# Altium PCB Booster_Main_Board.PcbDoc (part 8 of 11) (continued)
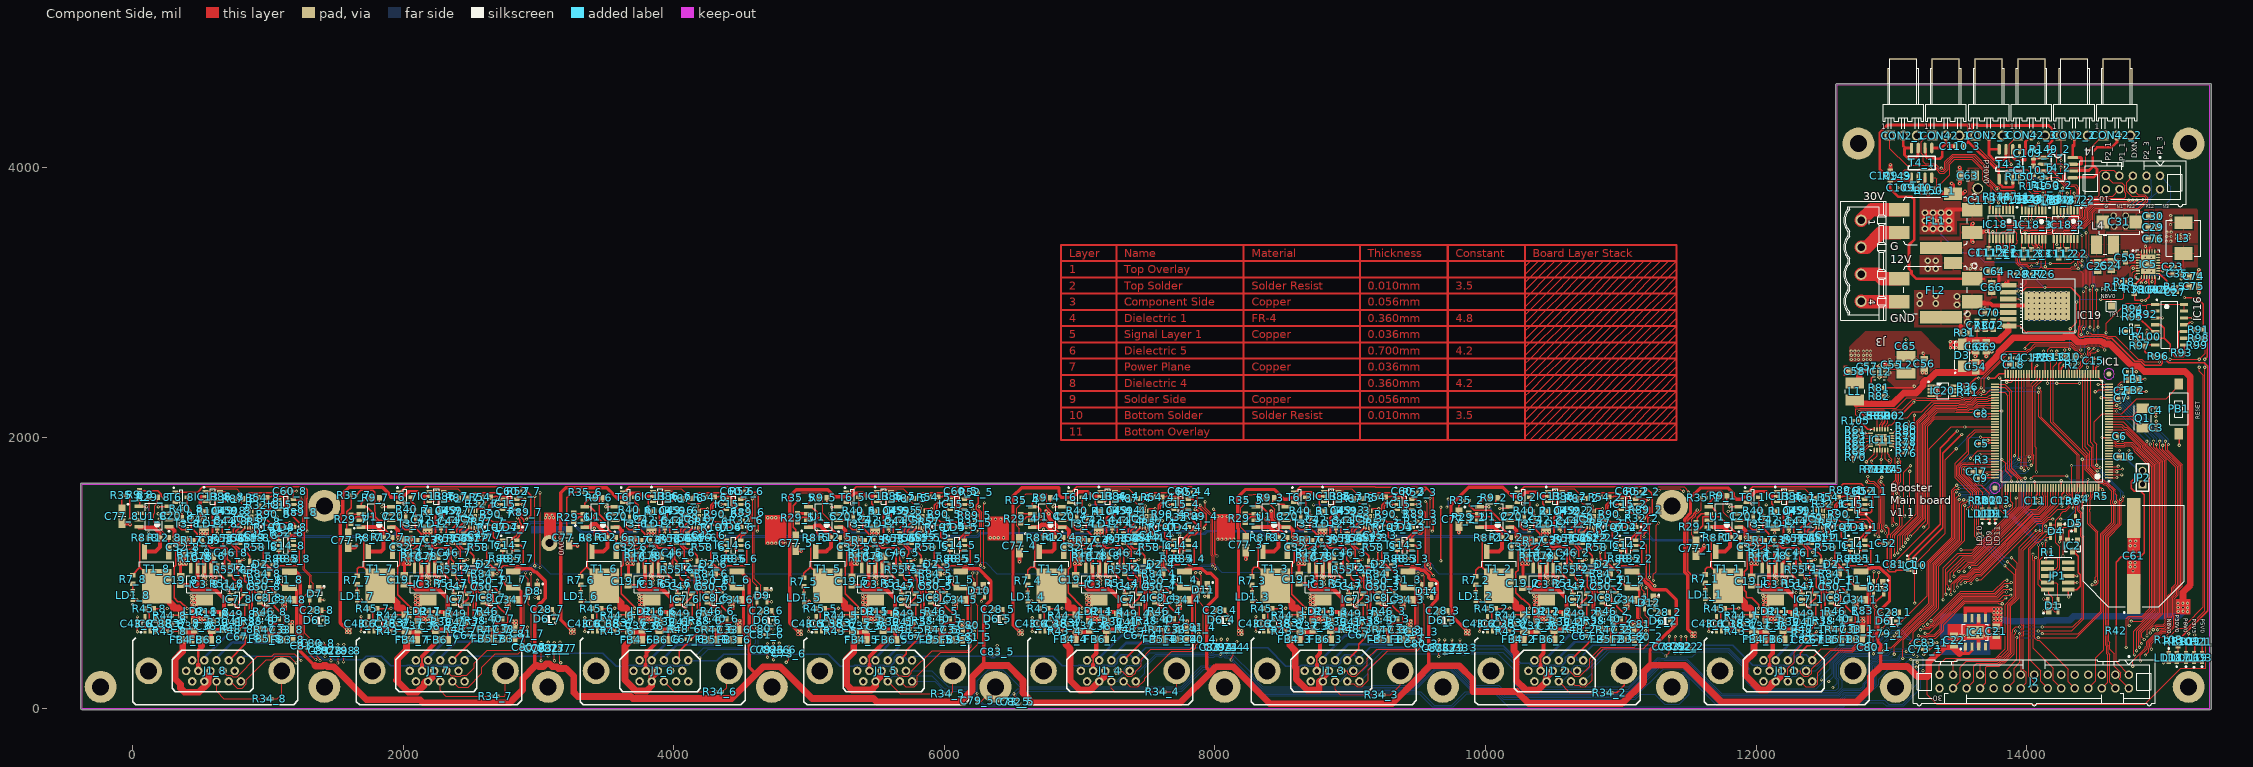
[diagram p0: Component Side view]
## Nets (pads, with @x,y where several pads share a name; then routed paths per layer and width w, separated by ;. In a path a pad name is that pad's centre, name@x,y a point inside that pad or via, vN(x,y) a via of type N, cw(c..) or ccw(c..) an arc to the next point about the centre after c; other vN are vias at no path point) (continued)
  Component Side w6: IC11.22@12913.03,2061.13 12913.03,2096.03 12932.72,2115.72 R69.2@12932.72,2143.02
NetIC11_23: IC11.23 R67.2 | length 81.9
  Component Side w6: IC11.23@12893.35,2061.13 R67.2@12893.35,2143.02
NetIC12_5: IC12.5 R81.1 R82.2 | length 162.3
  Component Side w12: IC12.5@12869.86,2449 12862,2449 12851,2438 12851,2402 R81.1@12875,2378 ; R82.2@12879.7,2301.36 R81.1@12879.7,2370.26
NetIC12_9: IC12.9 L2.1 | length 101.1
  Component Side w12: IC12.9@12952.54,2508.06 12970.06,2508.06 12974.11,2504 L2.1@13052,2504
NetIC13_1_3: IC13_1.3 R54_1.2 | length 555.9
  Component Side w6: IC13_1.3@12153.46,1527.91 12184.91,1527.91 12199,1542 12199,1579 12207.19,1587.19 12211.62,1587.19 12223.81,1599.38 12223.81,1611.97 12234.38,1622.54 12360.46,1622.54 12401,1582 12401,1524 12410,1515 12470,1515 12513.14,1558.14 R54_1.2@12544.68,1558.14
NetIC13_1_4: IC13_1.4 R86_1.1 R87_1.2 | length 120.1
  Component Side w10: IC13_1.4@12259.76,1527.91 12296.98,1527.91 R86_1.1@12315.38,1546.31 12366.85,1546.31 R87_1.2@12370.68,1550.14
NetIC13_2_3: IC13_2.3 R54_2.2 | length 556.8
  Component Side w6: IC13_2.3@10460.55,1527.91 10500.91,1527.91 10508,1535 10508,1577 10536.2,1605.2 10536.2,1617.27 10541.47,1622.54 10655.49,1622.54 10704.48,1573.55 10704.48,1525.52 10720,1510 10772,1510 10820.14,1558.14 R54_2.2@10851.76,1558.14
NetIC13_2_4: IC13_2.4 R86_2.1 R87_2.2 | length 120.1
  Component Side w10: IC13_2.4@10566.85,1527.91 10604.07,1527.91 R86_2.1@10622.47,1546.31 10673.93,1546.31 R87_2.2@10677.76,1550.14
NetIC13_3_3: IC13_3.3 R54_3.2 | length 545.7
  Component Side w6: IC13_3.3@8807.01,1527.91 8834.91,1527.91 8857,1550 8857,1581.57 8874.81,1599.38 8874.81,1609.43 8887.93,1622.54 9011.46,1622.54 9057,1577 9057,1527 9068,1516 9121,1516 9163.14,1558.14 R54_3.2@9198.22,1558.14
NetIC13_3_4: IC13_3.4 R86_3.1 R87_3.2 | length 120.1
  Component Side w10: IC13_3.4@8913.31,1527.91 8950.53,1527.91 R86_3.1@8968.93,1546.31 9020.39,1546.31 R87_3.2@9024.22,1550.14
NetIC13_4_3: IC13_4.3 R54_4.2 | length 560.7
  Component Side w6: IC13_4.3@7153.46,1527.91 7196.91,1527.91 7205,1536 7205,1582.57 7229.11,1606.68 7229.11,1617.27 7234.38,1622.54 7362.46,1622.54 7402,1583 7402,1530 7421,1511 7452,1511 7499.14,1558.14 R54_4.2@7544.68,1558.14
NetIC13_4_4: IC13_4.4 R86_4.1 R87_4.2 | length 120.1
  Component Side w10: IC13_4.4@7259.76,1527.91 7296.98,1527.91 R86_4.1@7315.38,1546.31 7366.85,1546.31 R87_4.2@7370.68,1550.14
NetIC13_5_3: IC13_5.3 R54_5.2 | length 546.7
  Component Side w6: IC13_5.3@5499.92,1527.91 5532.91,1527.91 5547,1542 5547,1578.57 5567.81,1599.38 5567.81,1609.52 5580.84,1622.54 5697.46,1622.54 5749,1571 5749,1532 5753.41,1527.59 5753.41,1526.73 5766.14,1514 5812,1514 5822,1524 5861,1524 5891.13,1554.13 R54_5.2@5891.13,1558.14
NetIC13_5_4: IC13_5.4 R86_5.1 R87_5.2 | length 120.1
  Component Side w10: IC13_5.4@5606.22,1527.91 5643.44,1527.91 R86_5.1@5661.84,1546.31 5713.3,1546.31 R87_5.2@5717.13,1550.14
NetIC13_6_3: IC13_6.3 R54_6.2 | length 552.1
  Component Side w6: IC13_6.3@3846.38,1527.91 3875.91,1527.91 3898.5,1550.5 3898.5,1584.07 3902.81,1588.38 3902.81,1598.06 3927.3,1622.54 4056.46,1622.54 4095,1584 4095,1526 4106,1515 4168.2,1515 4168.31,1515.11 4194.56,1515.11 R54_6.2@4237.59,1558.14
NetIC13_6_4: IC13_6.4 R86_6.1 R87_6.2 | length 120.1
  Component Side w10: IC13_6.4@3952.68,1527.91 3989.9,1527.91 R86_6.1@4008.3,1546.31 4059.76,1546.31 R87_6.2@4063.59,1550.14
NetIC13_7_3: IC13_7.3 R54_7.2 | length 557.2
  Component Side w6: IC13_7.3@2192.83,1527.91 2228.91,1527.91 2240,1539 2240,1573.17 2268.48,1601.65 2268.48,1617.27 2273.75,1622.54 2401.46,1622.54 2440,1584 2440,1530 2453,1517 2541.08,1517 2541.08,1525.93 2546.35,1531.2 2557.11,1531.2 R54_7.2@2584.05,1558.14
NetIC13_7_4: IC13_7.4 R86_7.1 R87_7.2 | length 120.1
  Component Side w10: IC13_7.4@2299.13,1527.91 2336.35,1527.91 R86_7.1@2354.75,1546.31 2406.22,1546.31 R87_7.2@2410.05,1550.14
NetIC13_8_3: IC13_8.3 R54_8.2 | length 568.6
  Component Side w6: IC13_8.3@539.29,1526.77 574.77,1526.77 585,1537 585,1570.57 607.39,1592.95 607.39,1608.58 620.21,1621.4 768.6,1621.4 789,1601 789,1529.37 798.05,1520.31 799.69,1520.31 808,1512 845,1512 890,1557 R54_8.2@930.5,1557
  Component Side w10: R54_8.2@930.5,1562 R54_8.2@934,1562
NetIC13_8_4: IC13_8.4 R86_8.1 R87_8.2 | length 120.1
  Component Side w10: IC13_8.4@645.59,1526.77 682.81,1526.77 R86_8.1@701.21,1545.17 752.67,1545.17 R87_8.2@756.5,1549
NetIC14_1_4: IC14_1.4 R52_1.2 T6_1.1 | length 1698.6
  Component Side w10: T6_1.1@11921.46,1589.61 T6_1.1@11928.54,1596.69 11936.69,1596.69 11976.54,1636.54 12620.8,1636.54 12642.06,1657.81 12775.49,1657.81 12798.88,1634.42 12840.58,1634.42 12863.1,1611.9 12863.1,1496.81 12854.33,1488.04 12854.33,1456.69 12843.69,1446.05 12772.23,1446.05 12762.14,1456.13 ; v1(12746.06,1417.32) 12767.32,1396.07 12816.53,1396.07 12844.49,1368.11 12844.49,1328.74 12834.82,1319.07 12834.82,1318.28 12828.38,1311.83 12822.82,1311.83 12760.17,1249.19 12760.17,1241.31 12759.17,1240.31 12759.17,1179.33 12776.17,1162.33 12797.91,1162.33 IC14_1.4@12801.32,1165.74
  Signal Layer 1 w10: v1(12746.06,1417.32) 12755.88,1427.14 v1(12755.88,1466.53)
NetIC14_1_6: IC14_1.6 R32_1.2 R54_1.1 | length 632.3
  Component Side w6: R32_1.2@12553.5,1510 12555,1510 12579.07,1534.07
  Component Side w10: 12579.07,1534.07 12583.6,1534.07 R54_1.1@12607.67,1558.14 12613.67,1564.14 12638.17,1564.14 12640.5,1566.47 12720.03,1566.47 12740.17,1546.33 12740.17,1489.35 12733.07,1482.24 12733.07,1456.9 12749.84,1440.13 12755.51,1440.13 12765.6,1430.05 12805.18,1430.05 12860.49,1374.74 12860.49,1322.11 12850.82,1312.44 12850.82,1311.65 12835,1295.83 12832.6,1295.83 12801.32,1264.56 IC14_1.6@12801.32,1240.54
NetIC14_2_4: IC14_2.4 R52_2.2 T6_2.1 | length 1673.6
  Component Side w10: T6_2.1@10228.54,1589.61 T6_2.1@10235.63,1596.69 10244.69,1596.69 10284.54,1636.54 11178.42,1636.54 11199.96,1615 ; IC14_2.4@11108.41,1165.74 11105,1162.33 11083.26,1162.33 11076.74,1168.85 11076.74,1256.91 v1@11115.62,1295.79 ; v1(11171.24,1269.68) 11171.24,1289.35 11198,1316.11 11198,1403.12 11208.88,1414 11211.63,1414 11231,1433.37 11231,1577.74 11227.19,1581.55 11227.19,1587.77 11199.96,1615 ; R52_2.2@11178.5,1600 11193.5,1615 11199.96,1615
  Signal Layer 1 w10: v1(11112.2,1299.21) 11161.39,1299.21 11171.24,1289.37 v1(11171.24,1269.68)
NetIC14_2_6: IC14_2.6 R32_2.2 R54_2.1 | length 527.4
  Component Side w10: R54_2.1@10914.76,1558.14 10920.76,1564.14 10945.26,1564.14 10947.59,1566.47 11027.12,1566.47 11047.26,1546.33 11047.26,1468.14 11076.26,1439.14 11103.17,1439.14 11151.09,1391.23 11151.09,1324.12 11135.02,1308.05 11135.02,1289.76 11121.65,1276.4 11120.25,1276.4 11108.41,1264.56 IC14_2.6@11108.41,1240.54
NetIC14_3_4: IC14_3.4 R52_3.2 T6_3.1 | length 1739.8
  Component Side w10: T6_3.1@8575,1589.61 T6_3.1@8582.09,1596.69 8591.69,1596.69 8631.54,1636.54 9183.31,1636.54 9186,1633.86 9557.09,1633.86 9567.97,1622.97 ; IC14_3.4@9454.87,1165.74 9451.46,1162.33 9429.72,1162.33 9412.72,1179.33 9412.72,1240.31 9413.72,1241.31 9413.72,1249.19 9476.36,1311.83 9511.25,1311.83 v1(9514.03,1309.06) ; R52_3.2@9533.5,1595 9535,1595 9562.97,1622.97 9567.97,1622.97 ; v1(9606.3,1309.06) 9612.81,1315.57 9612.81,1578.13 9567.97,1622.97
  Signal Layer 1 w10: v1(9514.03,1309.06) v1(9606.3,1309.06)
NetIC14_3_6: IC14_3.6 R32_3.2 R54_3.1 | length 590.5
  Component Side w10: R54_3.1@9261.21,1558.14 9267.21,1564.14 9291.72,1564.14 9294.05,1566.47 9373.57,1566.47 9393.72,1546.33 9393.72,1468.14 9431.01,1430.85 9451.02,1430.85 9516.09,1365.78 9516.09,1339.26 9536.84,1318.5 9536.84,1299.61 9523.48,1286.24 9504.58,1286.24 9494.99,1295.83 9486.14,1295.83 9454.87,1264.56 IC14_3.6@9454.87,1240.54
NetIC14_4_4: IC14_4.4 R52_4.2 T6_4.1 | length 1615.5
  Component Side w10: T6_4.1@6921.46,1589.61 T6_4.1@6928.54,1596.69 6937.69,1596.69 6977.54,1636.54 7824.8,1636.54 7867.19,1594.16 7867.19,1490.55 7880.55,1477.19 7893.01,1477.19 7893.01,1470.74 7923.23,1440.53 7928.18,1440.53 7934.62,1434.08 7934.62,1359.82 7920,1345.2 v1(7920,1330) ; IC14_4.4@7801.32,1165.74 7797.91,1162.33 7776.17,1162.33 7759.17,1179.33 7759.17,1240.31 7760.17,1241.31 7760.17,1249.19 7822.82,1311.83 7828.38,1311.83 7834.82,1318.28 7834.82,1328.74 7842.66,1328.74 7852.51,1318.89 v1(7854.31,1318.89)
  Signal Layer 1 w10: v1@7854.31,1328.74 7855.57,1330 v1(7920,1330)
NetIC14_4_6: IC14_4.6 R32_4.2 R54_4.1 | length 591
  Component Side w10: R54_4.1@7607.67,1558.14 7613.67,1564.14 7638.17,1564.14 7640.5,1566.47 7720.03,1566.47 7740.17,1546.33 7740.17,1485 7759.03,1466.14 7759.03,1449.28 7769.17,1439.14 7784.06,1439.14 7798.2,1425 ; R32_4.2@7778.5,1410 7793.5,1425 7798.2,1425 ; IC14_4.6@7801.32,1240.54 7801.32,1264.56 7819.98,1283.21 7850.89,1283.21 7877.13,1309.45 7877.13,1346.08 7798.2,1425
NetIC14_5_4: IC14_5.4 R52_5.2 T6_5.1 | length 1619.9
  Component Side w10: T6_5.1@5267.91,1589.61 T6_5.1@5275,1596.69 5310.09,1596.69 5349.94,1636.54 6227.63,1636.54 6250,1614.17 6250,1516.26 6234.69,1500.95 6234.69,1470.63 6261.39,1443.93 6261.39,1330.29 v1(6240.16,1309.06) ; IC14_5.4@6147.78,1165.74 6144.37,1162.33 6122.63,1162.33 6105.63,1179.33 6105.63,1240.31 6106.63,1241.31 6106.63,1249.19 v1@6159.04,1301.59
  Signal Layer 1 w10: v1(6161.42,1299.21) 6171.26,1309.06 v1(6240.16,1309.06)
NetIC14_5_6: IC14_5.6 R32_5.2 R54_5.1 | length 560.1
  Component Side w6: 6197.28,1350 6198.77,1351.5 R32_5.2@6225,1351.5
  Component Side w10: R54_5.1@5954.13,1558.14 5960.13,1564.14 5984.63,1564.14 5986.96,1566.47 6066.49,1566.47 6086.63,1546.33 6086.63,1468.14 6115.63,1439.14 6130.52,1439.14 6197.28,1372.38 6197.28,1350 6197.28,1302.81 6170.87,1276.4 6159.62,1276.4 6147.78,1264.56 IC14_5.6@6147.78,1240.54
NetIC14_6_4: IC14_6.4 R52_6.2 T6_6.1 | length 1637.6
  Component Side w10: T6_6.1@3614.37,1589.61 T6_6.1@3621.46,1596.69 3630.69,1596.69 3670.54,1636.54 4529.13,1636.54 4543.91,1621.76 4543.91,1620.77 4568.87,1595.81 4610.45,1595.81 4625.98,1580.28 4625.98,1318.9 v1(4616.14,1309.06) ; IC14_6.4@4494.24,1165.74 4490.83,1162.33 4469.09,1162.33 4452.09,1179.33 4452.09,1240.31 4453.09,1241.31 4453.09,1249.19 v1@4505.49,1301.59
  Signal Layer 1 w10: v1(4507.87,1299.21) 4606.3,1299.21 v1(4616.14,1309.06)
NetIC14_6_6: IC14_6.6 R32_6.2 R54_6.1 | length 529.8
  Component Side w10: R54_6.1@4300.58,1558.14 4306.58,1564.14 4331.09,1564.14 4333.42,1566.47 4412.94,1566.47 4433.09,1546.33 4433.09,1468.14 4462.09,1439.14 4473.71,1439.14 4478.02,1434.84 4478.02,1434.4 4491.4,1421.01 4491.4,1408.6 4543.73,1356.27 4543.73,1302.82 4517.31,1276.4 4506.08,1276.4 4494.24,1264.56 IC14_6.6@4494.24,1240.54
NetIC14_7_4: IC14_7.4 R52_7.2 T6_7.1 | length 1622.1
  Component Side w10: T6_7.1@1960.83,1589.61 T6_7.1@1967.91,1596.69 1977.69,1596.69 2017.54,1636.54 2879.13,1636.54 2942.91,1572.76 2942.91,1427.17 v1(2913.39,1397.64) ; IC14_7.4@2840.69,1165.74 2837.28,1162.33 2815.54,1162.33 2798.54,1179.33 2798.54,1240.31 2799.54,1241.31 2799.54,1243.63 2809.02,1253.11 2809.02,1256.91 2815.47,1263.35 2819.27,1263.35 2827.71,1271.8 2834.48,1271.8 2840.92,1278.24 2840.92,1285.01 2874.19,1318.28 2874.19,1358.89 2860.57,1372.51 2860.57,1391.39 v1(2844.48,1407.48)
  Signal Layer 1 w10: v1(2844.48,1407.48) 2844.48,1398.59 2845.43,1397.64 v1(2913.39,1397.64)
NetIC14_7_6: IC14_7.6 R32_7.2 R54_7.1 | length 606.5
  Component Side w10: R32_7.2@2598.5,1510 2598.9,1510 R54_7.1@2647.04,1558.14 2653.04,1564.14 2677.54,1564.14 2679.87,1566.47 2759.4,1566.47 2779.54,1546.33 2779.54,1468.14 2808.54,1439.14 2845.08,1439.14 2890.19,1394.03 2890.19,1311.65 2856.92,1278.38 2856.92,1271.61 2841.1,1255.8 2840.69,1255.8 IC14_7.6@2840.69,1240.54
NetIC14_8_4: IC14_8.4 R52_8.2 T6_8.1 | length 1633.1
  Component Side w10: T6_8.1@307.28,1588.46 T6_8.1@314.37,1595.55 479.57,1595.55 519.42,1635.4 905.51,1635.4 906.92,1636.81 1266.73,1636.81 1289.37,1614.17 1289.37,1550.7 1288.21,1549.54 1288.21,1310.21 v1(1289.37,1309.06) ; R52_8.2@1158.5,1295 1172.95,1280.55 1172.95,1275 ; IC14_8.4@1187.15,1164.6 1183.74,1161.19 1162,1161.19 1145,1178.19 1145,1239.17 1146,1240.17 1146,1248.05 1172.95,1275 ; v1(1210.63,1299.21) 1194.57,1283.15 1181.1,1283.15 1172.95,1275
  Signal Layer 1 w10: v1(1210.63,1299.21) 1279.53,1299.21 v1(1289.37,1309.06)
NetIC14_8_6: IC14_8.6 R32_8.2 R54_8.1 | length 598.1
  Component Side w10: R32_8.2@978.5,1500 978.5,1503.5 993.5,1518.5 R54_8.1@993.5,1557 999.5,1563 1024,1563 1026.33,1565.33 1105.86,1565.33 1126,1545.19 1126,1467 1155,1438 1166.63,1438 1236.65,1367.98 1236.65,1292.97 1210.83,1267.15 1190.88,1267.15 1187.15,1263.42 IC14_8.6@1187.15,1239.4
NetIC15_1_1: IC15_1.1 R87_1.1 R89_1.1 | length 484
  Component Side w10: R87_1.1@12433.67,1550.14 12476.67,1593.14 12663.68,1593.14 R89_1.1@12664.17,1593.64 12688.42,1593.64 12693.72,1588.33 12714.72,1588.33 12718.72,1584.33 12737.62,1584.33 12737.9,1584.61 12741.03,1581.48 12751.83,1581.48 12757.17,1576.14 12757.17,1496.5 12764.33,1489.34 12765.33,1489.34 12775.22,1479.45 12790.51,1479.45 IC15_1.1@12801.1,1468.86
NetIC15_1_6: IC15_1.6 R90_1.2 | length 48.8
  Component Side w10: R90_1.2@12653.17,1451.65 12670.39,1468.86 IC15_1.6@12694.8,1468.86
NetIC15_2_1: IC15_2.1 R87_2.1 R89_2.1 | length 569.2
  Component Side w10: R87_2.1@10740.76,1550.14 10783.76,1593.14 10970.76,1593.14 10971.26,1593.64 10995.5,1593.64 11000.81,1588.33 11021.81,1588.33 11025.81,1584.33 11044.71,1584.33 11044.99,1584.61 11048.12,1581.48 11058.92,1581.48 11064.26,1576.14 11064.26,1496.5 11081.31,1479.45 11097.6,1479.45 IC15_2.1@11108.19,1468.86 11108.19,1462.62 11166.51,1462.62 R89_2.1@11181.1,1448.03
NetIC15_2_6: IC15_2.6 R90_2.2 | length 48.8
  Component Side w10: R90_2.2@10960.26,1451.65 10977.47,1468.86 IC15_2.6@11001.89,1468.86
NetIC15_3_1: IC15_3.1 R87_3.1 R89_3.1 | length 589.1
  Component Side w10: R87_3.1@9087.21,1550.14 9130.21,1593.14 9317.22,1593.14 9317.72,1593.64 9341.96,1593.64 9347.27,1588.33 9368.27,1588.33 9372.27,1584.33 9391.17,1584.33 9391.45,1584.61 9394.58,1581.48 9405.38,1581.48 9410.72,1576.14 9410.72,1496.5 9427.76,1479.45 9444.06,1479.45 IC15_3.1@9454.65,1468.86 9448.82,1463.03 9448.82,1446.85 9468.5,1446.85 9496.85,1418.5 R89_3.1@9517.72,1418.5
NetIC15_3_6: IC15_3.6 R90_3.2 | length 48.8
  Component Side w10: R90_3.2@9306.72,1451.65 9323.93,1468.86 IC15_3.6@9348.35,1468.86
NetIC15_4_1: IC15_4.1 R87_4.1 R89_4.1 | length 579.5
  Component Side w10: R87_4.1@7433.67,1550.14 7476.67,1593.14 7663.68,1593.14 7664.17,1593.64 7688.42,1593.64 7693.72,1588.33 7714.72,1588.33 7718.72,1584.33 7737.62,1584.33 7737.9,1584.61 7741.03,1581.48 7751.83,1581.48 7757.17,1576.14 7757.17,1496.5 7774.22,1479.45 7790.51,1479.45 IC15_4.1@7801.1,1468.86 7852.64,1417.32 R89_4.1@7875.2,1417.32
NetIC15_4_6: IC15_4.6 R90_4.2 | length 48.8
  Component Side w10: R90_4.2@7653.17,1451.65 7670.39,1468.86 IC15_4.6@7694.8,1468.86
NetIC15_5_1: IC15_5.1 R87_5.1 R89_5.1 | length 555.7
  Component Side w10: R87_5.1@5780.13,1550.14 5823.13,1593.14 6010.13,1593.14 6010.63,1593.64 6034.87,1593.64 6040.18,1588.33 6061.18,1588.33 6065.18,1584.33 6084.08,1584.33 6084.36,1584.61 6087.49,1581.48 6098.29,1581.48 6103.63,1576.14 6103.63,1496.5 6120.68,1479.45 6136.97,1479.45 IC15_5.1@6147.56,1468.86 6159.09,1468.86 6200.79,1427.17 R89_5.1@6201.97,1427.17
NetIC15_5_6: IC15_5.6 R90_5.2 | length 48.8
  Component Side w10: R90_5.2@5999.63,1451.65 6016.84,1468.86 IC15_5.6@6041.26,1468.86
NetIC15_6_1: IC15_6.1 R87_6.1 R89_6.1 | length 570.1
  Component Side w10: R87_6.1@4126.58,1550.14 4169.58,1593.14 4356.59,1593.14 4357.09,1593.64 4381.33,1593.64 4391.78,1583.19 4432.24,1583.19 4433.95,1581.48 4444.75,1581.48 4450.09,1576.14 4450.09,1496.5 4467.13,1479.45 4483.43,1479.45 IC15_6.1@4494.02,1468.86 4494.02,1441.02 4498.03,1437.01 4538.58,1437.01 R89_6.1@4547.24,1428.35
NetIC15_6_6: IC15_6.6 R90_6.2 | length 48.8
  Component Side w10: R90_6.2@4346.09,1451.65 4363.3,1468.86 IC15_6.6@4387.72,1468.86
NetIC15_7_1: IC15_7.1 R87_7.1 R89_7.1 | length 564.9
  Component Side w10: R87_7.1@2473.04,1550.14 2516.04,1593.14 2703.05,1593.14 2703.54,1593.64 2727.79,1593.64 2733.09,1588.33 2754.09,1588.33 2758.09,1584.33 2776.99,1584.33 2777.27,1584.61 2780.4,1581.48 2791.2,1581.48 2796.54,1576.14 2796.54,1496.5 2813.59,1479.45 2829.88,1479.45 IC15_7.1@2840.47,1468.86 2842.17,1468.86 2883.86,1427.17 2902.36,1427.17 R89_7.1@2903.54,1428.35
NetIC15_7_6: IC15_7.6 R90_7.2 | length 48.8
  Component Side w10: R90_7.2@2692.54,1451.65 2709.76,1468.86 IC15_7.6@2734.17,1468.86
NetIC15_8_1: IC15_8.1 R87_8.1 R89_8.1 | length 563.4
  Component Side w10: R87_8.1@819.5,1549 862.5,1592 1049.5,1592 1050,1592.5 1074.24,1592.5 1079.55,1587.19 1100.55,1587.19 1104.55,1583.19 1123.45,1583.19 1123.73,1583.47 1126.86,1580.34 1137.66,1580.34 1143,1575 1143,1495.35 1160.05,1478.31 1176.34,1478.31 IC15_8.1@1186.93,1467.72 1190.94,1463.7 1190.94,1446.85 1200.79,1437.01 1231.5,1437.01 R89_8.1@1240.16,1428.35
NetIC15_8_6: IC15_8.6 R90_8.2 | length 48.8
  Component Side w10: R90_8.2@1039,1450.5 1056.21,1467.72 IC15_8.6@1080.63,1467.72
NetIC16_5: IC16.5 R94.2 R95.1 | length 260.7
  Component Side w10: R94.2@14751.97,2952.76 14811.02,2893.7 R95.1@14814.96,2893.7 ; R95.1@14821.85,2893.63 14911.59,2803.89 14911.59,2803.63 14930.59,2784.63 IC16.5@14949.77,2784.63
NetIC16_7: IC16.7 R96.1 R97.2 | length 206.9
  Component Side w10: R96.1@14939.96,2601.38 14939.96,2603.35 14914.37,2628.94 14878.94,2628.94 14871.06,2636.81 R97.2@14871.06,2677.17 14878.53,2684.63 IC16.7@14949.77,2684.63
NetIC16_9: IC16.9 R98.1 R99.2 | length 128.7
  Component Side w10: IC16.9@15162.37,2734.63 15237.09,2734.63 R98.1@15238.92,2732.8 15239.91,2731.81 R99.2@15239.91,2681.8
NetIC16_10: IC16.10 R91.1 R93.1 | length 251.7
  Component Side w10: R93.1@15118.42,2628.8 15118.42,2776.8 15126.24,2784.63 IC16.10@15162.37,2784.63 ; IC16.10@15188.42,2786.8 15200.42,2798.8 R91.1@15239.92,2798.8
NetIC18_2_13: IC18_2.13
NetIC19_2: IC19.2 R27.1 | length 288.6
  Component Side w6: IC19.2@13848.23,3060.24 IC19.2@13863.19,3075.2 13882.28,3075.2 13890.61,3083.52 v1(13937.01,3083.52) ; v1(13996.06,3208.66) R27.1@14036.61,3208.66
  Solder Side w6: v1(13937.01,3083.52) 13996.06,3142.57 v1(13996.06,3208.66)
NetIC19_3: IC19.3 R28.1 | length 405.4
  Component Side w6: IC19.3@13863.19,3025.2 v1(13950.39,3025.2) ; R28.1@13955.51,3208.66 13955.51,3246.87 v1(13956.67,3248.03)
  Solder Side w6: v1(13950.39,3025.2) 13944.06,3031.54 13944.06,3047.04 13916.2,3074.9 13916.2,3092.14 13928.39,3104.33 13940.85,3104.33 13977.5,3140.99 13977.5,3197.79 13975.25,3200.04 13975.25,3229.44 v1(13956.67,3248.03)
NetJ2_26: J2.26 R3.2 | length 2346.6
  Component Side w6: J2.26@13555.12,146.85 13608,199.73 13608,310 13631.54,333.54 13786.45,333.54 13811.91,359 13826.97,359 13882.27,414.3 13882.27,755.7 13905.76,779.19 13906.53,779.19 13944.81,817.47 13944.81,1189.81 v1(14069,1314) ; v1(13616,1834) 13619,1837 R3.2@13651.5,1837 ; v1(13815,1838) 13844,1809 13844,1754 13887,1711 v1(13887,1678)
  Signal Layer 1 w6: v1(13887,1678) 13895.81,1669.19 13895.81,1487.19 v1(14069,1314)
  Solder Side w6: v1(13616,1834) 13811,1834 v1(13815,1838)
NetLD1_1_2: LD1_1.2 R7_1.1 | length 55.1
  Component Side w10: LD1_1.2@11623.25,870.27 LD1_1.2@11623.25,871.25 R7_1.1@11623.25,925.39
NetLD1_2_2: LD1_2.2 R7_2.1 | length 55.1
  Component Side w10: LD1_2.2@9927.02,857.57 LD1_2.2@9927.02,858.55 R7_2.1@9927.02,912.69
NetLD1_3_2: LD1_3.2 R7_3.1 | length 55.1
  Component Side w10: LD1_3.2@8274,856.2 LD1_3.2@8274,857.18 R7_3.1@8274,911.31
NetLD1_4_2: LD1_4.2 R7_4.1 | length 55.1
  Component Side w10: LD1_4.2@6615.93,854.57 LD1_4.2@6615.93,855.55 R7_4.1@6615.93,909.69
NetLD1_5_2: LD1_5.2 R7_5.1 | length 55.1
  Component Side w10: LD1_5.2@4961.81,846.39 LD1_5.2@4961.81,847.37 R7_5.1@4961.81,901.5
NetLD1_6_2: LD1_6.2 R7_6.1 | length 55.1
  Component Side w10: LD1_6.2@3312.84,857.57 LD1_6.2@3312.84,858.55 R7_6.1@3312.84,912.69
NetLD1_7_2: LD1_7.2 R7_7.1 | length 55.1
  Component Side w10: LD1_7.2@1660.3,860.57 LD1_7.2@1660.3,861.55 R7_7.1@1660.3,915.69
NetLD1_8_2: LD1_8.2 R7_8.1 | length 54.1
  Component Side w10: LD1_8.2@0,866.14 R7_8.1@0,920.28
NetLD2_1_2: LD2_1.2 R11_1.2 | length 35.6
  Component Side w20: LD2_1.2@12152.95,711.85 R11_1.2@12188.58,711.85
NetLD2_2_2: LD2_2.2 R11_2.2 | length 35.6
  Component Side w20: LD2_2.2@10460.04,711.85 R11_2.2@10495.67,711.85
NetLD2_3_2: LD2_3.2 R11_3.2 | length 35.6
  Component Side w20: LD2_3.2@8806.5,711.85 R11_3.2@8842.13,711.85
NetLD2_4_2: LD2_4.2 R11_4.2 | length 35.6
  Component Side w20: LD2_4.2@7152.95,711.85 R11_4.2@7188.58,711.85
NetLD2_5_2: LD2_5.2 R11_5.2 | length 35.6
  Component Side w20: LD2_5.2@5499.41,711.85 R11_5.2@5535.04,711.85
NetLD2_6_2: LD2_6.2 R11_6.2 | length 35.6
  Component Side w20: LD2_6.2@3845.87,711.85 R11_6.2@3881.5,711.85
NetLD2_7_2: LD2_7.2 R11_7.2 | length 35.6
  Component Side w20: LD2_7.2@2192.32,711.85 R11_7.2@2227.95,711.85
NetLD2_8_2: LD2_8.2 R11_8.2 | length 35.6
  Component Side w20: LD2_8.2@538.78,710.71 R11_8.2@574.41,710.71
NetLD3_2: LD3.2 R21.2 | length 61
  Component Side w10: LD3.2@15297.2,408.71 R21.2@15297.2,469.71
NetLD4_1_2: LD4_1.2 R107_1.1 | length 52.2
  Component Side w10: R107_1.1@12690.87,1338.94 LD4_1.2@12743.03,1338.94
NetLD4_2_2: LD4_2.2 R107_2.1 | length 52.2
  Component Side w10: R107_2.1@10997.95,1338.94 LD4_2.2@11050.12,1338.94
NetLD4_3_2: LD4_3.2 R107_3.1 | length 52.2
  Component Side w10: R107_3.1@9344.41,1338.94 LD4_3.2@9396.57,1338.94
NetLD4_4_2: LD4_4.2 R107_4.1 | length 52.2
  Component Side w10: R107_4.1@7690.87,1338.94 LD4_4.2@7743.03,1338.94
NetLD4_5_2: LD4_5.2 R107_5.1 | length 52.2
  Component Side w10: R107_5.1@6037.32,1338.94 LD4_5.2@6089.49,1338.94
NetLD4_6_2: LD4_6.2 R107_6.1 | length 52.2
  Component Side w10: R107_6.1@4383.78,1338.94 LD4_6.2@4435.94,1338.94
NetLD4_7_2: LD4_7.2 R107_7.1 | length 52.2
  Component Side w10: R107_7.1@2730.24,1338.94 LD4_7.2@2782.4,1338.94
NetLD4_8_2: LD4_8.2 R107_8.1 | length 52.2
  Component Side w10: R107_8.1@1076.69,1337.8 LD4_8.2@1128.86,1337.8
NetLD9_2: LD9.2 R101.2 | length 48.1
  Component Side w6: R101.2@13723,1518.5 13723,1477.5 LD9.2@13728,1472.5
NetLD10_2: LD10.2 R102.2 | length 43.4
  Component Side w6: R102.2@13674,1515.5 13674,1473.5 LD10.2@13675,1472.5
NetLD11_2: LD11.2 R103.2 | length 48.5
  Component Side w6: R103.2@13775,1518.5 13775,1478.5 LD11.2@13781,1472.5
NetLD12_1_1: LD12_1.1 R104_1.2 | length 70.6
  Component Side w10: LD12_1.1@12240.17,1394.64 12259.68,1414.14 R104_1.2@12259.68,1457.14
NetLD12_2_1: LD12_2.1 R104_2.2 | length 70.6
  Component Side w10: LD12_2.1@10547.26,1394.64 10566.76,1414.14 R104_2.2@10566.76,1457.14
NetLD12_3_1: LD12_3.1 R104_3.2 | length 70.6
  Component Side w10: LD12_3.1@8893.72,1394.64 8913.22,1414.14 R104_3.2@8913.22,1457.14
NetLD12_4_1: LD12_4.1 R104_4.2 | length 70.6
  Component Side w10: LD12_4.1@7240.17,1394.64 7259.68,1414.14 R104_4.2@7259.68,1457.14
NetLD12_5_1: LD12_5.1 R104_5.2 | length 70.6
  Component Side w10: LD12_5.1@5586.63,1394.64 5606.13,1414.14 R104_5.2@5606.13,1457.14
NetLD12_6_1: LD12_6.1 R104_6.2 | length 70.6
  Component Side w10: LD12_6.1@3933.09,1394.64 3952.59,1414.14 R104_6.2@3952.59,1457.14
NetLD12_7_1: LD12_7.1 R104_7.2 | length 70.6
  Component Side w10: LD12_7.1@2279.54,1394.64 2299.05,1414.14 R104_7.2@2299.05,1457.14
NetLD12_8_1: LD12_8.1 R104_8.2 | length 70.6
  Component Side w10: LD12_8.1@626,1393.5 645.5,1413 R104_8.2@645.5,1456
NetLD16_2: LD16.2 R109.2 | length 72.2
  Component Side w6: R109.2@15178.35,476.83 15178.35,418.57 LD16.2@15188.2,408.72
NetLD17_2: LD17.2 R110.1 | length 43.3
  Component Side w6: LD17.2@15119.27,408.71 R110.1@15119.27,452
NetLD18_1: LD18.1 R108.2 | length 78
  Component Side w6: LD18.1@15050.4,408.72 R108.2@15050.4,486.68
NetLD19_2: LD19.2 R111.1 | length 63.4
  Component Side w10: R111.1@15242.05,472.71 15243.05,471.71 LD19.2@15243.05,409.71
NetR7_1_2: R7_1.2 R8_1.2 R37_1.2 R44_1.2 T1_1.3 | length 850.4
  Component Side w10: R7_1.2@11623.25,988.38 11623.25,1027.25 11638.03,1042.03 11667.28,1042.03 ; R8_1.2@11672.68,1261.14 11667.28,1255.75 11667.28,1042.03 ; T1_1.3@11701.17,1008.14 11667.28,1042.03 ; T1_1.3@11791.73,903.78 T1_1.3@11860.63,972.68 ; R44_1.2@11907.68,685 11911.73,689.06 R37_1.2@11984.17,689.06
  Component Side w50: T1_1.3@11791.73,903.78 11916.18,779.33 11916.18,758.33 11916.98,757.53 11916.98,740.83 11954.68,740.83 11971.36,724.15 11971.36,718.75 11984.17,705.94 R37_1.2@11984.17,689.06
NetR7_2_2: R7_2.2 R8_2.2 R37_2.2 R44_2.2 T1_2.3 | length 861
  Component Side w10: R7_2.2@9927.02,975.68 9927.02,1018.02 9951.03,1042.03 9974.37,1042.03 ; R8_2.2@9979.76,1261.14 9974.37,1255.75 9974.37,1042.03 ; T1_2.3@10008.26,1008.14 9974.37,1042.03 ; T1_2.3@10098.82,903.78 T1_2.3@10167.72,972.68 ; R44_2.2@10214.76,685 10218.82,689.06 R37_2.2@10291.26,689.06
  Component Side w50: T1_2.3@10098.82,903.78 10223.27,779.33 10223.27,758.33 10224.07,757.53 10224.07,740.83 10261.77,740.83 10278.45,724.15 10278.45,718.75 10291.26,705.94 R37_2.2@10291.26,689.06
NetR7_3_2: R7_3.2 R8_3.2 R37_3.2 R44_3.2 T1_3.3 | length 865.4
  Component Side w10: R7_3.2@8274,974.31 8274,1024 8292.03,1042.03 8320.83,1042.03 ; R8_3.2@8326.22,1261.14 8320.83,1255.75 8320.83,1042.03 ; T1_3.3@8354.72,1008.14 8320.83,1042.03 ; T1_3.3@8445.28,903.78 T1_3.3@8514.17,972.68 ; R44_3.2@8561.22,685 8565.28,689.06 R37_3.2@8637.72,689.06
  Component Side w50: T1_3.3@8445.28,903.78 8569.72,779.33 8569.72,758.33 8570.53,757.53 8570.53,740.83 8608.23,740.83 8624.91,724.15 8624.91,718.75 8637.72,705.94 R37_3.2@8637.72,689.06
NetR7_4_2: R7_4.2 R8_4.2 R37_4.2 R44_4.2 T1_4.3 | length 868
  Component Side w10: R7_4.2@6615.93,972.68 6615.93,1017.93 6640.03,1042.03 6667.28,1042.03 ; R8_4.2@6672.68,1261.14 6667.28,1255.75 6667.28,1042.03 ; T1_4.3@6701.17,1008.14 6667.28,1042.03 ; T1_4.3@6791.73,903.78 T1_4.3@6860.63,972.68 ; R44_4.2@6907.68,685 6911.73,689.06 R37_4.2@6984.17,689.06
  Component Side w50: T1_4.3@6791.73,903.78 6916.18,779.33 6916.18,758.33 6916.98,757.53 6916.98,740.83 6954.69,740.83 6971.36,724.15 6971.36,718.75 6984.17,705.94 R37_4.2@6984.17,689.06
NetR7_5_2: R7_5.2 R8_5.2 R37_5.2 R44_5.2 T1_5.3 | length 863.8
  Component Side w10: R7_5.2@4961.81,964.5 4961.81,995.81 5008.03,1042.03 5013.74,1042.03 ; R8_5.2@5019.13,1261.14 5013.74,1255.75 5013.74,1042.03 ; T1_5.3@5047.63,1008.14 5013.74,1042.03 ; T1_5.3@5138.19,903.78 T1_5.3@5207.09,972.68 ; R44_5.2@5254.13,685 5258.19,689.06 R37_5.2@5330.63,689.06
  Component Side w50: T1_5.3@5138.19,903.78 5262.64,779.33 5262.64,758.33 5263.44,757.53 5263.44,740.83 5301.14,740.83 5317.82,724.15 5317.82,718.75 5330.63,705.94 R37_5.2@5330.63,689.06